# Altium PCB mod_duo_dwarf.PcbDoc (part 1 of 3)
Units mm, origin at the board's own origin, x right, y up, seen from the top; angles counter-clockwise.
Board outline 193.02 x 75.32 mm, 2 copper layers (Top Layer, Bottom Layer), stack 1.579 mm thick; 179 components, 157 nets, 691 pads, 335 vias.
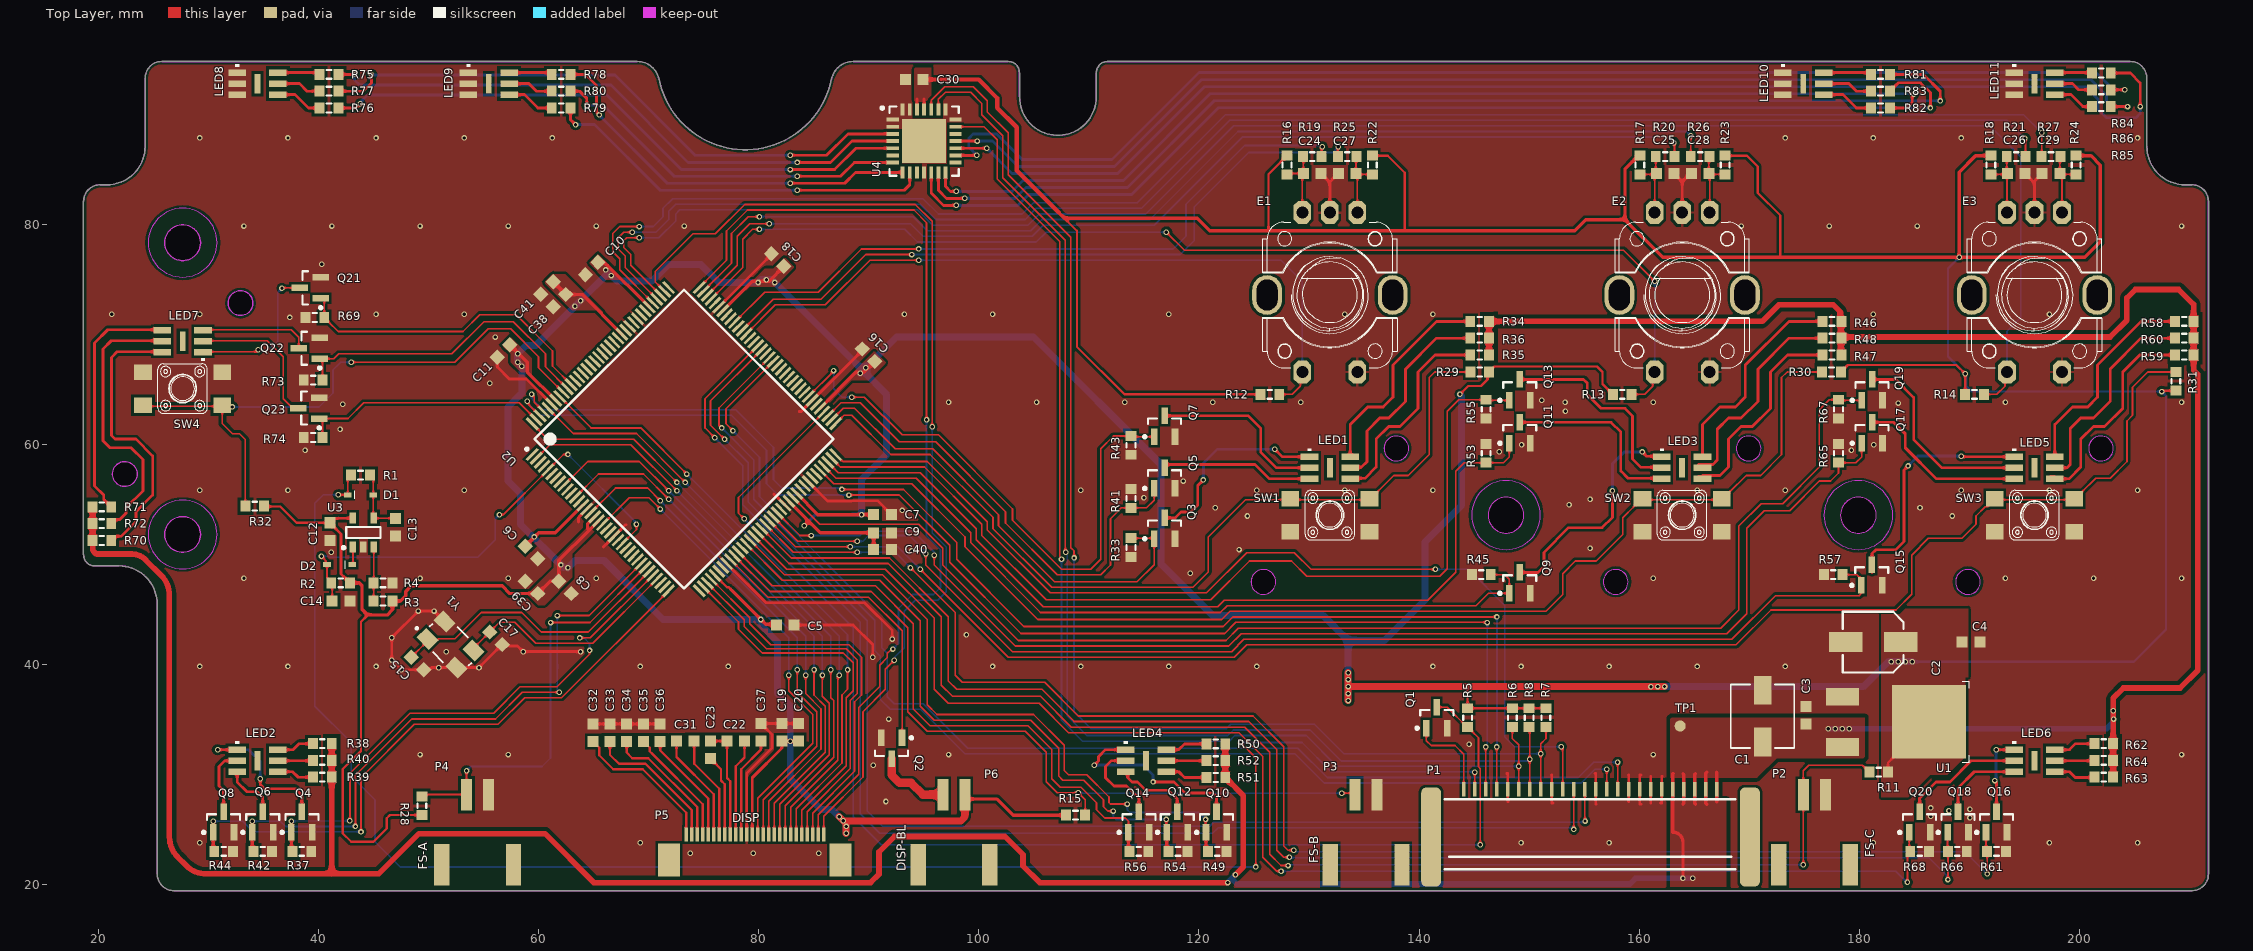
[diagram p0: Top Layer view]
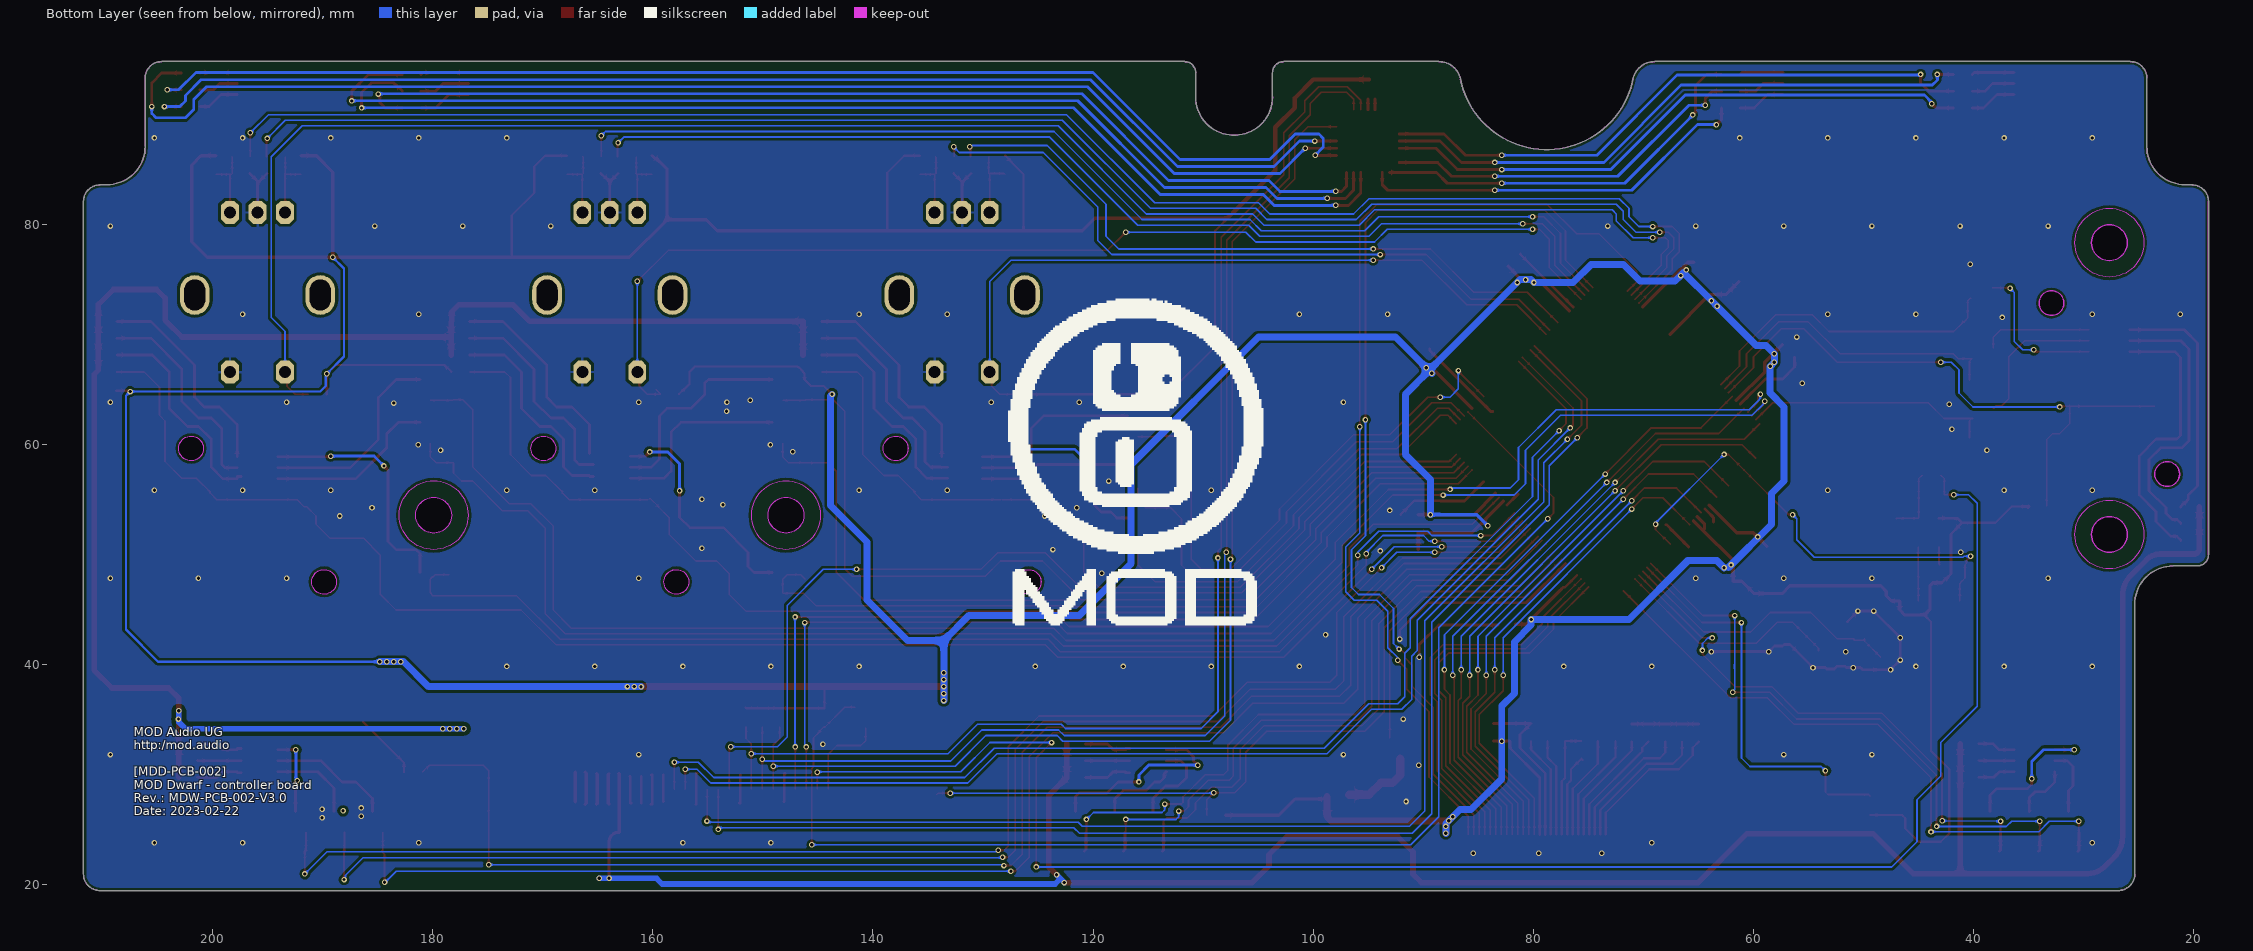
[diagram p1: Bottom Layer view, seen from below]
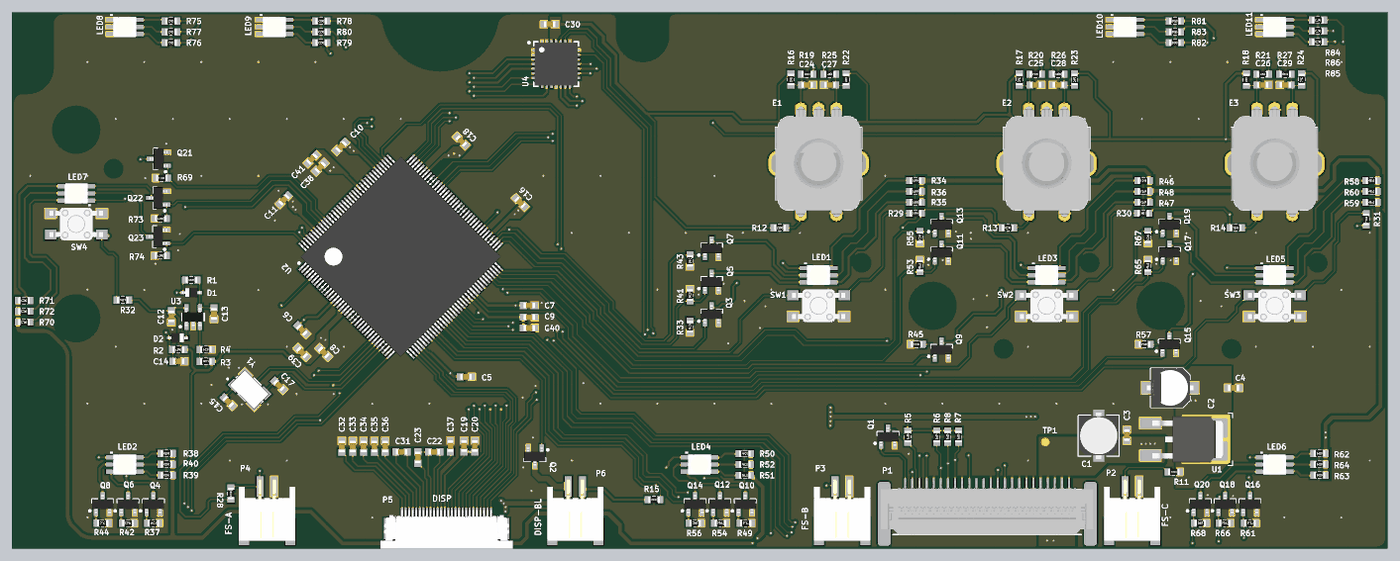
[diagram p4: 3D render of the assembled board from above, using the file's embedded part models]

## Layer stack, top to bottom
Top Solder: solder mask 0.0102, Solder Resist, Dk 3.5
Top Layer: signal copper 0.0356
Dielectric 1: dielectric 1.508, FR-4, Dk 4.8
Bottom Layer: signal copper 0.0356
Bottom Solder: solder mask 0.0102, Solder Resist, Dk 3.5

## Board outline
19.686,48.956 21.886,48.956 ccw(c21.886,48.966) 21.886,48.956 cw(c21.886,45.466) 25.376,45.466 ccw(c25.386,45.466) 25.376,45.466 25.376,20.966 ccw(c25.386,20.966) 25.376,20.966 ccw(c26.886,20.966) 26.886,19.456 210.186,19.456 ccw(c210.186,20.966) 211.696,20.966 211.696,82.066 ccw(c210.186,82.066) 210.186,83.576 ccw(c210.186,83.566) 210.186,83.576 209.586,83.576 ccw(c209.586,83.566) 209.586,83.576 cw(c209.586,87.066) 206.096,87.066 206.096,93.266 ccw(c204.586,93.266) 204.586,94.776 111.686,94.776 cw(c111.686,94.766) 111.686,94.776 ccw(c111.686,93.766) 110.676,93.766 ccw(c110.686,93.766) 110.676,93.766 110.676,91.566 cw(c107.186,91.566) 103.696,91.566 103.696,93.766 ccw(c102.686,93.766) 102.686,94.776 ccw(c102.686,94.766) 102.686,94.776 88.584,94.776 cw(c88.584,94.766) 88.584,94.776 ccw(c88.584,92.766) 86.614,93.168 cw(c78.786,94.766) 86.614,93.168 cw(c86.624,93.166) 86.614,93.168 cw(c78.786,94.766) 70.958,93.168 ccw(c68.988,92.766) 68.988,94.776 ccw(c68.988,94.766) 68.988,94.776 25.786,94.776 ccw(c25.786,93.266) 24.276,93.266 24.276,87.066 cw(c20.786,87.066) 20.786,83.576 ccw(c20.786,83.566) 20.786,83.576 20.186,83.576 ccw(c20.186,83.566) 20.186,83.576 cw(c20.186,82.066) 20.186,83.576 ccw(c20.186,82.066) 18.676,82.066 18.676,49.966 ccw(c19.686,49.966)
cut-out: 200.801,59.626 ccw(c201.926,59.626) 201.926,58.501 ccw(c201.926,59.626) 203.051,59.626 ccw(c201.926,59.626) 201.926,60.751 ccw(c201.926,59.626)
cut-out: 188.721,47.506 ccw(c189.846,47.506) 189.846,46.381 ccw(c189.846,47.506) 190.971,47.506 ccw(c189.846,47.506) 189.846,48.631 ccw(c189.846,47.506)
cut-out: 178.261,53.566 ccw(c179.886,53.566) 179.886,51.941 ccw(c179.886,53.566) 181.511,53.566 ccw(c179.886,53.566) 179.886,55.191 ccw(c179.886,53.566)
cut-out: 168.801,59.626 ccw(c169.926,59.626) 169.926,58.501 ccw(c169.926,59.626) 171.051,59.626 ccw(c169.926,59.626) 169.926,60.751 ccw(c169.926,59.626)
cut-out: 156.721,47.506 ccw(c157.846,47.506) 157.846,46.381 ccw(c157.846,47.506) 158.971,47.506 ccw(c157.846,47.506) 157.846,48.631 ccw(c157.846,47.506)
cut-out: 146.261,53.566 ccw(c147.886,53.566) 147.886,51.941 ccw(c147.886,53.566) 149.511,53.566 ccw(c147.886,53.566) 147.886,55.191 ccw(c147.886,53.566)
cut-out: 136.801,59.626 ccw(c137.926,59.626) 137.926,58.501 ccw(c137.926,59.626) 139.051,59.626 ccw(c137.926,59.626) 137.926,60.751 ccw(c137.926,59.626)
cut-out: 124.721,47.506 ccw(c125.846,47.506) 125.846,46.381 ccw(c125.846,47.506) 126.971,47.506 ccw(c125.846,47.506) 125.846,48.631 ccw(c125.846,47.506)
cut-out: 32.941,71.705 cw(c32.941,72.83) 31.816,72.83 cw(c32.941,72.83) 32.941,73.955 cw(c32.941,72.83) 34.066,72.83 cw(c32.941,72.83)
cut-out: 22.431,56.177 cw(c22.431,57.302) 21.306,57.302 cw(c22.431,57.302) 22.431,58.427 cw(c22.431,57.302) 23.556,57.302 cw(c22.431,57.302)
cut-out: 27.686,50.191 cw(c27.686,51.816) 26.061,51.816 cw(c27.686,51.816) 27.686,53.441 cw(c27.686,51.816) 29.311,51.816 cw(c27.686,51.816)
cut-out: 27.686,76.691 cw(c27.686,78.316) 26.061,78.316 cw(c27.686,78.316) 27.686,79.941 cw(c27.686,78.316) 29.311,78.316 cw(c27.686,78.316)

## Design rules (kind name [scope] priority, off if disabled: settings)
Clearance Clearance_pwr [InNet('+12V') vs InPolygon] p1: gap=0.381 ignorepadtopadclearanceinfootprint=FALSE
Clearance Clearance_poly [InPolygon] p2: gap=0.254 ignorepadtopadclearanceinfootprint=FALSE
Clearance [All] p3: gap=0.152 ignorepadtopadclearanceinfootprint=FALSE
HoleSize [All] p1: absolutevalues=TRUE maxlimit=10 minlimit=0.025 maxpercent=80.000 minpercent=20.000
HoleToHoleClearance [All] p1: gap=0.152 allowstackedmicrovias=TRUE
MinimumSolderMaskSliver [All] p1: minsoldermaskwidth=0.102
PolygonConnect [All] p1: thpad.connectstyle=Relief thpad.reliefconductorwidth=0.254 thpad.reliefentries=4 thpad.polygonreliefangle="90 Angle" thpad.airgapwidth=0.254 smdpad.connectstyle=Direct smdpad.reliefconductorwidth=0.254 smdpad.reliefentries=4 smdpad.polygonreliefangle="90 Angle" smdpad.airgapwidth=0.254 via.connectstyle=Direct via.reliefconductorwidth=0.254 via.reliefentries=4 via.polygonreliefangle="90 Angle" via.airgapwidth=0.254
RoutingVias [All] p1: holewidth=0.711 width=1.27 viastyle="Through Hole" minholewidth=0.711 minwidth=1.27 maxholewidth=0.711 maxwidth=1.27
SilkToSilkClearance [All] p1: silktosilkclearance=0.152
SilkToSolderMaskClearance [IsPad] p1: minsilkscreentomaskgap=0.076 clearancetoexposedcopper=TRUE
SolderMaskExpansion [All] p1: expansion=0.102 istentingtop=FALSE
Width [All] p1: maxlimit=10 minlimit=0.152 preferedwidth=0.254
25 further rules are at their usual default settings.

## Classes and differential pairs
net class GLCD_D[0..7]: GLCD_D0 GLCD_D1 GLCD_D2 GLCD_D3 GLCD_D4 GLCD_D5 GLCD_D6 GLCD_D7
component class [6]-PEAKMETER_LEDS: C30 LED8 LED9 LED10 LED11 R75 R76 R77 R78 R79 R80 R81 R82 R83 R84 R85 R86 U4
component class [5]-BUTTONS_ILLUMINATION: LED1 LED2 LED3 LED4 LED5 LED6 LED7 Q3 Q4 Q5 Q6 Q7 Q8 Q9 Q10 Q11 Q12 Q13 Q14 Q15 Q16 Q17 Q18 Q19 Q20 Q21 Q22 Q23 R33 R34 R35 R36 R37 R38 R39 R40 R41 R42 R43 R44 R45 R46 R47 R48 R49 R50 R51 R52 R53 R54 R55 R56 R57 R58 R59 R60 R61 R62 R63 R64 R65 R66 R67 R68 R69 R70 R71 R72 R73 R74
component class [4]-MECH_BUTTONS: C24 C25 C26 C27 C28 C29 E1 E2 E3 P2 P3 P4 R11 R12 R13 R14 R15 R16 R17 R18 R19 R20 R21 R22 R23 R24 R25 R26 R27 R28 R29 R30 R31 R32 SW1 SW2 SW3 SW4
component class [3]-GLCD_128X64: C19 C20 C22 C23 C31 C32 C33 C34 C35 C36 C37 P5 P6 Q2
component class [2]-MCU_LPC1778FBD144: C5 C6 C7 C8 C9 C10 C11 C12 C13 C14 C15 C16 C17 C18 C38 C39 C40 C41 D1 D2 P1 Q1 R1 R2 R3 R4 R5 R6 R7 R8 U2 U3 Y1
component class [1]-PWR_12VIN: C1 C2 C3 C4 TP1 U1

## Components (designator, comment, footprint, x,y, rotation, side; value= is the part's Value field where it differs from the comment)
C1 "10uF" CAP_EEE_C-L 171.196,35.306 r90 top
C2 "100uF" CAPAE6553X55M 181.229,42.037 r180 top
C3 "0.1uF" CAPC1608N 175.147,35.381 r270 top
C4 "0.1uF" CAPC1608N 190.119,42.037 r180 top
C5 "0.1uF" CAPC1608N 82.403,43.585 r180 top
C6 "0.1uF" CAPC1608N 59.378,50.189 r135 top
C7 "0.1uF" CAPC1608N 91.255,53.618 r180 top
C8 "0.1uF" CAPC1608N 62.426,47.014 r135 top
C9 "0.1uF" CAPC1608N 91.255,51.967 r180 top
C10 "0.1uF" CAPC1608N 64.839,75.97 r45 top
C11 "0.1uF" CAPC1608N 56.838,68.477 r45 top
C12 "0.1uF" CAPC1608N 41.054,52.078 r90 top
C13 "10uF" CAPC1608N 47.023,52.459 r90 top
C14 "0.1uF" CAPC1608N 42.07,45.766 r0 top
C15 "39pF" CAPC1608N 49.022,40.098 r315 top
C16 "0.1uF" CAPC1608N 89.985,68.096 r315 top
C17 "39pF" CAPC1608N 56.134,42.384 r135 top
C18 "0.1uF" CAPC1608N 81.73,76.732 r315 top
C19 "10uF" CAPC1608N 82.111,33.844 r90 top
C20 "0.1uF" CAPC1608N 83.635,33.844 r90 top
C22 "1uF" CAPC1608N 77.92,33.044 r0 top
C23 "1uF" CAPC1608N 75.634,32.244 r270 top
C24 "0.01uF" CAPC1608N 130.282,84.606 r180 top
C25 "0.01uF" CAPC1608N 162.337,84.606 r180 top
C26 "0.01uF" CAPC1608N 194.216,84.606 r180 top
C27 "0.01uF" CAPC1608N 133.457,84.606 r0 top
C28 "0.01uF" CAPC1608N 165.512,84.606 r0 top
C29 "0.01uF" CAPC1608N 197.391,84.606 r0 top
C30 "0.1uF" CAPC1608N 94.14,93.137 r180 top
C31 "1uF" CAPC1608N 73.348,33.044 r0 top
C32 "1uF" CAPC1608N 64.966,33.806 r270 top
C33 "1uF" CAPC1608N 66.49,33.806 r270 top
C34 "1uF" CAPC1608N 68.014,33.806 r270 top
C35 "1uF" CAPC1608N 69.538,33.806 r270 top
C36 "1uF" CAPC1608N 71.062,33.806 r270 top
C37 "1uF" CAPC1608N 80.206,33.844 r270 top
C38 "0.1uF" CAPC1608N 61.918,73.049 r45 top
C39 "0.1uF" CAPC1608N 59.378,47.014 r315 top
C40 "2.2uF" CAPC1608N 91.255,50.443 r180 top
C41 "2.2uF" CAPC1608N 60.775,74.192 r45 top
D1 "1N4148" SOD-323 43.841,55.418 r0 top
D2 "1N4148" SOD-323 41.943,49.068 r180 top
E1 "PEC11R" PEC11R 131.886,73.566 r180 top locked
E2 "PEC11R" PEC11R 163.886,73.566 r180 top locked
E3 "PEC11R" PEC11R 195.886,73.566 r180 top
LED1 "BL-HJXGXBX32N" BL-HJXGXBX32N 131.886,57.866 r0 top
LED2 "BL-HJXGXBX32N" BL-HJXGXBX32N 34.486,31.266 r0 top
LED3 "BL-HJXGXBX32N" BL-HJXGXBX32N 163.886,57.866 r0 top
LED4 "BL-HJXGXBX32N" BL-HJXGXBX32N 115.186,31.266 r0 top
LED5 "BL-HJXGXBX32N" BL-HJXGXBX32N 195.886,57.866 r0 top
LED6 "BL-HJXGXBX32N" BL-HJXGXBX32N 195.886,31.266 r0 top
LED7 "BL-HJXGXBX32N" BL-HJXGXBX32N 27.686,69.366 r180 top
LED8 "BL-HJXGXBX32N" BL-HJXGXBX32N 34.486,92.766 r0 top
LED9 "BL-HJXGXBX32N" BL-HJXGXBX32N 55.486,92.766 r0 top
LED10 "BL-HJXGXBX32N" BL-HJXGXBX32N 174.886,92.766 r0 top
LED11 "BL-HJXGXBX32N" BL-HJXGXBX32N 195.886,92.766 r0 top
P1 "F51L-1A7H1-11024" F51L-1A7H1-11024 155.562,26.5 r180 top
P2 "ER-CON2.0-2P-SMD" ER-CON2.0-2P-SMD 175.895,25 r180 top
P3 "ER-CON2.0-2P-SMD" ER-CON2.0-2P-SMD 135.186,25 r180 top
P4 "ER-CON2.0-2P-SMD" ER-CON2.0-2P-SMD 54.483,25 r180 top
P5 "ER-CON26HT-1" ER-CON26HT-1 79.666,23.4 r0 top
P6 "ER-CON2.0-2P-SMD" ER-CON2.0-2P-SMD 97.736,25 r180 top
Q1 "2N7002" SOT23-3N 141.605,35.179 r90 top
Q2 "2N7002" SOT23-3N 92.075,32.385 r270 top
Q3 "2N7002" SOT23-3N 116.873,52.37 r90 top
Q4 "2N7002" SOT23-3N 38.514,25.7 r90 top
Q5 "2N7002" SOT23-3N 116.873,56.942 r90 top
Q6 "2N7002" SOT23-3N 34.958,25.7 r90 top
Q7 "2N7002" SOT23-3N 116.873,61.641 r90 top
Q8 "2N7002" SOT23-3N 31.402,25.7 r90 top
Q9 "2N7002" SOT23-3N 149.135,47.417 r90 top
Q10 "2N7002" SOT23-3N 121.587,25.7 r90 top
Q11 "2N7002" SOT23-3N 149.135,61.05 r90 top
Q12 "2N7002" SOT23-3N 118.031,25.7 r90 top
Q13 "2N7002" SOT23-3N 149.135,64.943 r90 top
Q14 "2N7002" SOT23-3N 114.541,25.7 r90 top
Q15 "2N7002" SOT23-3N 181.102,48.133 r90 top
Q16 "2N7002" SOT23-3N 192.438,25.7 r90 top
Q17 "2N7002" SOT23-3N 181.135,61.05 r90 top
Q18 "2N7002" SOT23-3N 188.943,25.7 r90 top
Q19 "2N7002" SOT23-3N 181.135,64.943 r90 top
Q20 "2N7002" SOT23-3N 185.453,25.7 r90 top
Q21 "2N7002" SOT23-3N 39.276,74.214 r180 top
Q22 "2N7002" SOT23-3N 39.185,68.731 r180 top
Q23 "2N7002" SOT23-3N 39.149,63.292 r180 top
R1 "160K" RESC1608N 43.843,57.196 r0 top
R2 "10K" RESC1608N 42.031,47.417 r180 top
R3 "10K" RESC1608N 45.88,45.766 r0 top
R4 "10K" RESC1608N 45.88,47.417 r0 top
R5 "10K" RESC1608N 144.399,35.179 r270 top
R6 "100K" RESC1608N 148.463,35.179 r90 top
R7 "100K" RESC1608N 151.511,35.179 r90 top
R8 "100K" RESC1608N 149.987,35.179 r90 top
R11 "10K" RESC1608N 181.737,30.226 r180 top
R12 "10K" RESC1608N 126.442,64.54 r180 top
R13 "10K" RESC1608N 158.442,64.54 r180 top
R14 "10K" RESC1608N 190.442,64.54 r180 top
R15 "10K" RESC1608N 108.781,26.313 r0 top
R16 "10K" RESC1608N 127.996,85.368 r90 top
R17 "10K" RESC1608N 160.051,85.368 r90 top
R18 "10K" RESC1608N 191.93,85.368 r90 top
R19 "10K" RESC1608N 130.282,86.13 r180 top
R20 "10K" RESC1608N 162.337,86.13 r180 top
R21 "10K" RESC1608N 194.216,86.13 r180 top
R22 "10K" RESC1608N 135.743,85.368 r90 top
R23 "10K" RESC1608N 167.798,85.368 r90 top
R24 "10K" RESC1608N 199.677,85.368 r90 top
R25 "10K" RESC1608N 133.457,86.13 r0 top
R26 "10K" RESC1608N 165.512,86.13 r0 top
R27 "10K" RESC1608N 197.391,86.13 r0 top
R28 "10K" RESC1608N 49.403,27.178 r90 top
R29 "10K" RESC1608N 145.492,66.572 r0 top
R30 "10K" RESC1608N 177.449,66.572 r0 top
R31 "10K" RESC1608N 208.73,65.722 r270 top
R32 "10K" RESC1608N 34.232,54.38 r0 top
R33 "100K" RESC1608N 113.825,50.631 r270 top
R34 "560R" RESC1608N 145.492,71.166 r0 top
R35 "470R" RESC1608N 145.492,68.118 r0 top
R36 "470R" RESC1608N 145.492,69.642 r0 top
R37 "100K" RESC1608N 38.514,23.033 r0 top
R38 "560R" RESC1608N 40.38,32.812 r0 top
R39 "470R" RESC1608N 40.38,29.764 r0 top
R40 "470R" RESC1608N 40.38,31.288 r0 top
R41 "100K" RESC1608N 113.825,55.076 r90 top
R42 "100K" RESC1608N 34.958,23.033 r0 top
R43 "100K" RESC1608N 113.825,59.902 r270 top
R44 "100K" RESC1608N 31.402,23.033 r0 top
R45 "100K" RESC1608N 145.65,48.157 r180 top
R46 "560R" RESC1608N 177.492,71.166 r0 top
R47 "470R" RESC1608N 177.492,68.118 r0 top
R48 "470R" RESC1608N 177.492,69.642 r0 top
R49 "100K" RESC1608N 121.653,23.033 r0 top
R50 "560R" RESC1608N 121.533,32.79 r0 top
R51 "470R" RESC1608N 121.533,29.742 r0 top
R52 "470R" RESC1608N 121.533,31.266 r0 top
R53 "100K" RESC1608N 146.087,59.184 r90 top
R54 "100K" RESC1608N 118.097,23.033 r0 top
R55 "100K" RESC1608N 146.087,63.204 r270 top
R56 "100K" RESC1608N 114.541,23.033 r0 top
R57 "100K" RESC1608N 177.615,48.157 r180 top
R58 "560R" RESC1608N 209.492,71.166 r0 top
R59 "470R" RESC1608N 209.492,68.118 r0 top
R60 "470R" RESC1608N 209.492,69.642 r0 top
R61 "100K" RESC1608N 192.438,23.033 r0 top
R62 "560R" RESC1608N 202.178,32.812 r0 top
R63 "470R" RESC1608N 202.178,29.764 r0 top
R64 "470R" RESC1608N 202.178,31.288 r0 top
R65 "100K" RESC1608N 178.087,59.184 r90 top
R66 "100K" RESC1608N 188.882,23.033 r0 top
R67 "100K" RESC1608N 178.087,63.204 r270 top
R68 "100K" RESC1608N 185.453,23.033 r0 top
R69 "100K" RESC1608N 39.693,71.525 r180 top
R70 "560R" RESC1608N 20.352,51.27 r180 top
R71 "470R" RESC1608N 20.352,54.318 r180 top
R72 "470R" RESC1608N 20.352,52.794 r180 top
R73 "100K" RESC1608N 39.53,65.832 r180 top
R74 "100K" RESC1608N 39.53,60.625 r180 top
R75 "220R" RESC1608N 40.982,93.599 r180 top
R76 "220R" RESC1608N 40.982,90.551 r180 top
R77 "220R" RESC1608N 40.982,92.075 r180 top
R78 "220R" RESC1608N 62.064,93.599 r180 top
R79 "220R" RESC1608N 62.064,90.551 r180 top
R80 "220R" RESC1608N 62.064,92.075 r180 top
R81 "220R" RESC1608N 181.897,93.599 r180 top
R82 "220R" RESC1608N 181.897,90.551 r180 top
R83 "220R" RESC1608N 181.897,92.075 r180 top
R84 "220R" RESC1608N 201.963,93.726 r180 top
R85 "220R" RESC1608N 201.963,90.678 r180 top
R86 "220R" RESC1608N 201.963,92.202 r180 top
SW1 "TL3305" TL3305 131.886,53.566 r0 top
SW2 "TL3305" TL3305 163.886,53.566 r0 top
SW3 "TL3305" TL3305 195.886,53.566 r0 top
SW4 "TL3305" TL3305 27.686,65.066 r180 top
TP1 "TP_1_MM" TP_1_MM 163.703,34.417 r90 top
U1 "NCP1117DT33G" DPAK-L 182.372,34.798 r180 top
U2 "LPC1778FBD144" LQFP144-SOT486-1 73.221,60.476 r45 top
U3 "MCP6001" SOT23-5N 44.102,51.989 r90 top
U4 "PCA9685" SOT788-1 95.029,87.549 r0 top
Y1 "12Mhz" ECS-120-20-30B-AGL-TR 52.012,41.807 r315 top

## Footprints (in the part's own frame and the unit in brackets; to place one, negate y for a bottom-side part, rotate by r counter-clockwise, add the part's x,y. Pads: shape width x height; smd on the part's side, far side on the other; paste and mask are expansions set on the pad)
BL-HJXGXBX32N [mm]
  rect 1.6x0.6 smd: 1(-1.85,1) 2(-1.85,0) 3(-1.85,-1) 4(1.85,-1) 5(1.85,0) 6(1.85,1)
  rect 0.53x1.77 smd: M(0,0)
  silkscreen extent -2.03,1.52 -1.65,1.78, body extent -1.75,-1.4 1.75,1.4, height 1.4
CAP_EEE_C-L [mil]
  rect 103x62 smd paste+0 mask+0: 1(92.5,0) 2(-92.5,0)
  silkscreen extent -114,-114 114,114, body extent -128,-108 128,109, height 219
CAPAE6553X55M [mm] "Aluminum Electrolytic Capacitor, Body 5.30x5.30x5.50mm, IPC Low Density"
  rect 3.05x1.8 smd: 1(-2.5,0) 2(2.5,0)
  silkscreen extent -2.75,-2.75 2.75,2.75, body extent -3.25,-2.75 3.25,2.75, height 5.5
CAPC1608N [mm] "Chip Capacitor, Body 1.6x0.8mm, IPC Medium Density"
  rect 1x1 smd: 1(-0.8,0) 2(0.8,0)
  body extent -0.8,-0.4 0.8,0.4, height 0.9
DPAK-L [mm]
  rect 3x1.6 smd: 1(3.925,-2.286) 3(3.925,2.286)
  rect 6.7x6.7 smd paste-7: 2(-3.925,0)
  silkscreen extent -7.61,-3.68 -6.97,3.68, body extent -6.27,-3.27 3.66,3.27, height 2.41
ECS-120-20-30B-AGL-TR [mm]
  rect 1.6x1.25 smd: 1(-1.85,-1.1) 2(1.85,-1.1) 3(1.85,1.1) 4(-1.85,1.1)
  silkscreen extent -3.31,-1.6 2.5,1.6, body extent -2.5,-1.6 2.5,1.6, height 0.85
ER-CON2.0-2P-SMD [mm]
  rect 1x2.85 smd: 1(-1,-3.187) 2(1,-3.187)
  rect 1.4x3.8 smd: M(-3.25,3.188) M(3.25,3.188)
  body extent -3.95,-4.16 3.95,4.44, height 4.8
ER-CON26HT-1 [mm]
  rect 0.3x1.25 smd: 1(6.25,1.162) 2(5.75,1.162) 3(5.25,1.162) 4(4.75,1.162) 5(4.25,1.162) 6(3.75,1.162) 7(3.25,1.162) 8(2.75,1.162) 9(2.25,1.162) 10(1.75,1.162) 11(1.25,1.162) 12(0.75,1.162) 13(0.25,1.162) 14(-0.25,1.162) 15(-0.75,1.162) 16(-1.25,1.162) 17(-1.75,1.162) 18(-2.25,1.162) 19(-2.75,1.162) 20(-3.25,1.162) 21(-3.75,1.162) 22(-4.25,1.162) 23(-4.75,1.162) 24(-5.25,1.162) 25(-5.75,1.162) 26(-6.25,1.162)
  rect 2x3 smd: M(-7.79,-1.162) M(7.79,-1.162)
  body extent -9.24,-3.95 9.26,1.5, height 2.08
F51L-1A7H1-11024 [mm]
  rect 0.3x1.3 smd: 1(11.526,-2.166) 2(10.526,-2.166) 3(9.526,-2.166) 4(8.526,-2.166) 5(7.526,-2.166) 6(6.526,-2.166) 7(5.526,-2.166) 8(4.526,-2.166) 9(3.526,-2.166) 10(2.526,-2.166) 11(1.526,-2.166) 12(0.526,-2.166) 13(-0.474,-2.166) 14(-1.474,-2.166) 15(-2.474,-2.166) 16(-3.474,-2.166) 17(-4.474,-2.166) 18(-5.474,-2.166) 19(-6.474,-2.166) 20(-7.474,-2.166) 21(-8.474,-2.166) 22(-9.474,-2.166) 23(-10.474,-2.166) 24(-11.474,-2.166)
  rrect50% 1.8x9 smd: M(-14.476,2.167) M(14.476,2.167)
  silkscreen extent -13.18,-1.27 13.23,5.1, body extent -14.87,-2.44 14.93,5.13, height 2.5
LQFP144-SOT486-1 [mm] "LQQFP, 144-Leads, Body 20.00x20.00mm, Pitch 0.50mm, Thermal Pad 0.00x0.00mm, IPC Medium Density"
  rect 1.45x0.28 smd: 1(-10.725,8.75) 2(-10.725,8.25) 3(-10.725,7.75) 4(-10.725,7.25) 5(-10.725,6.75) 6(-10.725,6.25) 7(-10.725,5.75) 8(-10.725,5.25) 9(-10.725,4.75) 10(-10.725,4.25) 11(-10.725,3.75) 12(-10.725,3.25) 13(-10.725,2.75) 14(-10.725,2.25) 15(-10.725,1.75) 16(-10.725,1.25) 17(-10.725,0.75) 18(-10.725,0.25) 19(-10.725,-0.25) 20(-10.725,-0.75) 21(-10.725,-1.25) 22(-10.725,-1.75) 23(-10.725,-2.25) 24(-10.725,-2.75) 25(-10.725,-3.25) 26(-10.725,-3.75) 27(-10.725,-4.25) 28(-10.725,-4.75) 29(-10.725,-5.25) 30(-10.725,-5.75) 31(-10.725,-6.25) 32(-10.725,-6.75) 33(-10.725,-7.25) 34(-10.725,-7.75) 35(-10.725,-8.25) 36(-10.725,-8.75) 73(10.725,-8.75) 74(10.725,-8.25) 75(10.725,-7.75) 76(10.725,-7.25) 77(10.725,-6.75) 78(10.725,-6.25) 79(10.725,-5.75) 80(10.725,-5.25) 81(10.725,-4.75) 82(10.725,-4.25) 83(10.725,-3.75) 84(10.725,-3.25) 85(10.725,-2.75) 86(10.725,-2.25) 87(10.725,-1.75) 88(10.725,-1.25) 89(10.725,-0.75) 90(10.725,-0.25) 91(10.725,0.25) 92(10.725,0.75) 93(10.725,1.25) 94(10.725,1.75) 95(10.725,2.25) 96(10.725,2.75) 97(10.725,3.25) 98(10.725,3.75) 99(10.725,4.25) 100(10.725,4.75) 101(10.725,5.25) 102(10.725,5.75) 103(10.725,6.25) 104(10.725,6.75) 105(10.725,7.25) 106(10.725,7.75) 107(10.725,8.25) 108(10.725,8.75)
  rect 0.28x1.45 smd: 37(-8.75,-10.725) 38(-8.25,-10.725) 39(-7.75,-10.725) 40(-7.25,-10.725) 41(-6.75,-10.725) 42(-6.25,-10.725) 43(-5.75,-10.725) 44(-5.25,-10.725) 45(-4.75,-10.725) 46(-4.25,-10.725) 47(-3.75,-10.725) 48(-3.25,-10.725) 49(-2.75,-10.725) 50(-2.25,-10.725) 51(-1.75,-10.725) 52(-1.25,-10.725) 53(-0.75,-10.725) 54(-0.25,-10.725) 55(0.25,-10.725) 56(0.75,-10.725) 57(1.25,-10.725) 58(1.75,-10.725) 59(2.25,-10.725) 60(2.75,-10.725) 61(3.25,-10.725) 62(3.75,-10.725) 63(4.25,-10.725) 64(4.75,-10.725) 65(5.25,-10.725) 66(5.75,-10.725) 67(6.25,-10.725) 68(6.75,-10.725) 69(7.25,-10.725) 70(7.75,-10.725) 71(8.25,-10.725) 72(8.75,-10.725) 109(8.75,10.725) 110(8.25,10.725) 111(7.75,10.725) 112(7.25,10.725) 113(6.75,10.725) 114(6.25,10.725) 115(5.75,10.725) 116(5.25,10.725) 117(4.75,10.725) 118(4.25,10.725) 119(3.75,10.725) 120(3.25,10.725) 121(2.75,10.725) 122(2.25,10.725) 123(1.75,10.725) 124(1.25,10.725) 125(0.75,10.725) 126(0.25,10.725) 127(-0.25,10.725) 128(-0.75,10.725) 129(-1.25,10.725) 130(-1.75,10.725) 131(-2.25,10.725) 132(-2.75,10.725) 133(-3.25,10.725) 134(-3.75,10.725) 135(-4.25,10.725) 136(-4.75,10.725) 137(-5.25,10.725) 138(-5.75,10.725) 139(-6.25,10.725) 140(-6.75,10.725) 141(-7.25,10.725) 142(-7.75,10.725) 143(-8.25,10.725) 144(-8.75,10.725)
  silkscreen extent -10.85,-9.6 9.6,9.6, body extent -11,-11 11,11, height 1.6
PEC11R [mm]
  oct 1.6x2.1 hole 1.1: 1(-2.5,7) 2(2.5,7) A(-2.5,-7.5) B(2.5,-7.5) C(0,-7.5)
  oval 2.7x3.6 hole 1.9 slot 2.8 at 90 deg: M(-5.7,0) M(5.7,0)
  silkscreen extent -6.1,-6.6 6.1,6.6, body extent -7,-7.7 7,7.2, height 21.6
RESC1608N [mm] "Chip Resistor, Body 1.6x0.8mm, IPC Medium Density"
  rect 0.9x1 smd: 1(-0.85,0) 2(0.85,0)
  silkscreen extent -0.2,-0.4 0.2,0.4, body extent -0.8,-0.45 0.8,0.45, height 0.5
SOD-323 [mm]
  rect 0.7x0.45 smd: 1(-1.15,0) 2(1.15,0)
  silkscreen extent -0.51,-0.38 -0.51,0.38, body extent -1.3,-0.67 1.3,0.67, height 1.1
SOT23-3N [mm] "SOT23, 3-Leads, Body 2.9x1.3mm, Pitch 0.95mm, Lead Span 2.5mm, IPC Medium Density"
  rect 1.5x0.6 smd: 1(-0.95,0.95) 2(-0.95,-0.95) 3(0.95,0)
  silkscreen extent -1.07,-1.5 0.7,1.92, body extent -1.25,-1.5 1.25,1.5, height 1.01
SOT23-5N [mm]
  rect 1x0.6 smd: 1(-1.3,0.95) 2(-1.3,0) 3(-1.3,-0.95) 4(1.3,-0.95) 5(1.3,0.95)
  silkscreen extent -1.5,-1.55 0.5,1.92, body extent -1.25,-1.5 1.25,1.5, height 1.06
SOT788-1 [mm]
  rect 1.1x0.35 smd paste-0.025: 1(-2.85,1.95) 2(-2.85,1.3) 3(-2.85,0.65) 4(-2.85,0) 5(-2.85,-0.65) 6(-2.85,-1.3) 7(-2.85,-1.95) 15(2.85,-1.95) 16(2.85,-1.3) 17(2.85,-0.65) 18(2.85,0) 19(2.85,0.65) 20(2.85,1.3) 21(2.85,1.95)
  rect 0.35x1.1 smd paste-0.025: 8(-1.95,-2.85) 9(-1.3,-2.85) 10(-0.65,-2.85) 11(0,-2.85) 12(0.65,-2.85) 13(1.3,-2.85) 14(1.95,-2.85) 22(1.95,2.85) 23(1.3,2.85) 24(0.65,2.85) 25(0,2.85) 26(-0.65,2.85) 27(-1.3,2.85) 28(-1.95,2.85)
  rect 4x4 smd paste-1000: 29(0,0)
  silkscreen extent -3.92,-3.15 3.15,3.15, body extent -3.02,-3.02 3.02,3.02, height 0.9
TL3305 [mm]
  rect 1.6x1.4 smd: 1(-3.6,-1.5) 2(3.6,-1.5) 3(-3.6,1.5) 4(3.6,1.5)
  silkscreen extent -2.25,-2.25 2.25,2.25, body extent -3.75,-2.25 3.75,2.25, height 3.8
TP_1_MM [mm]
  round 1 smd paste-1000 mask+0.102: 1(0,0)

## Part data
C1: library part EEE-1EA100SR, "CAP ALUM 10UF 20% 25V SMD", Case/Package=Radial, Leakage Current=3uA, Manufacturer 1=Panasonic, Max Operating Temperature=85°C, Min Operating Temperature=-40°C, Package Quantity=1, Ripple Current=28mA, Supplier Part Number 1=PCE3894CT-ND, Tolerance=20%, Voltage=25V, Capacitance=10uF, Contact Plating=Tin, Diameter=5mm, Height=5.4mm, Height - Seated (Max)=0.213inch, Lead Length=2.2mm, Lead Pitch=1.5mm, Length=5.5mm, Life (Hours)=2000Hour, Manufacturer Part Number 1=EEE-1EA100SR, Mount="PCB,Surface Mount", Number of Pins=2, Packaging="Tape and Reel", Pricing 1="1=0.31, 10=0.214, 100=0.1286, 500=0.09646 (USD)", Radiation Hardening=No, REACH SVHC="No SVHC", Ripple Current (AC)=28mA, Stock 1=6724, Supplier 1=Digi-Key, Termination=SMD/SMT, Voltage Rating=25V, Voltage Rating (DC)=25V, Width=5.3mm
C2: library part EEE-1AA101WR, "CAP ALUM 100UF 20% 10V SMD", Case/Package=Radial, Manufacturer 1="Panasonic ECG", Max Operating Temperature=85°C, Min Operating Temperature=-40°C, Package Quantity=1, Ripple Current=50mA, Supplier Part Number 1=PCE3867CT-ND, Tolerance=20%, Voltage Rating=10V, Capacitance=100uF, ComponentLink1Description=https://datasheet.ciiva.com/26945/getdatasheetpartid-169213-26945071.pdf, ComponentLink1URL=https://datasheet.ciiva.com/26945/getdatasheetpartid-169213-26945071.pdf, ComponentLink2Description=https://datasheet.ciiva.com/2983/aba0000ce2-2983906.pdf, ComponentLink2URL=https://datasheet.ciiva.com/2983/aba0000ce2-2983906.pdf, ComponentLink3Description=https://datasheet.ciiva.com/24027/aba0000ce2-40801-24027541.pdf, ComponentLink3URL=https://datasheet.ciiva.com/24027/aba0000ce2-40801-24027541.pdf, ComponentLink4Description=https://datasheet.ciiva.com/30075/11aba0000ce2-30075303.pdf, ComponentLink4URL=https://datasheet.ciiva.com/30075/11aba0000ce2-30075303.pdf, ComponentLink5Description=https://datasheet.ciiva.com/16427/aba0000ce2-16427544.pdf, ComponentLink5URL=https://datasheet.ciiva.com/16427/aba0000ce2-16427544.pdf, ComponentLink6Description=https://datasheet.ciiva.com/14598/70255710-14598233.pdf, ComponentLink6URL=https://datasheet.ciiva.com/14598/70255710-14598233.pdf, ComponentLink7Description=https://datasheet.ciiva.com/14605/70255710-14605689.pdf, ComponentLink7URL=https://datasheet.ciiva.com/14605/70255710-14605689.pdf, ComponentLink8Description=https://datasheet.ciiva.com/11673/aba0000ce2-11673882.pdf, ComponentLink8URL=https://datasheet.ciiva.com/11673/aba0000ce2-11673882.pdf, Contact Plating=Tin, Description 1="Cap Aluminum Lytic 100uF 10V 20% (5 X 5.4mm) SMD 50mA 1000h 85C Automotive T/R", Diameter=5mm, Height=5.4mm, Height - Seated (Max)=0.213inch, Lead Free="Lead Free", Length=5.5mm, Life (Hours)=1000Hour, Manufacturer Part Number 1=EEE-1AA101WR, Mount="Surface Mount,PCB", Packaging="Tape and Reel", Pricing 1="1=0.31, 10=0.212, 100=0.1272, 500=0.0954 (USD)", Radiation Hardening=No, REACH SVHC=Unknown, Ripple Current (AC)=50mA, Stock 1=122621, Supplier 1=Digi-Key, Termination=SMD/SMT, Voltage Rating (DC)=10V
C3 C4 C5 C6 C7 C8 C9 C10 C11 C12 C14 C16 C18 C20 C30 C38 C39: library part CC0603KRX7R8BB104, "CAP CER 0.1UF 25V X7R 0603", Capacitance=100nF, Case/Package=0603, Case Code (Metric)=1608, Dielectric=X7R, Manufacturer 1=Yageo, Max Operating Temperature=125°C, Min Operating Temperature=-55°C, Package Quantity=1, Supplier Part Number 1=311-1341-1-ND, Tolerance=10%, Voltage=25V, Case Code (Imperial)=0603, ComponentLink1Description=https://datasheet.ciiva.com/11786/0900766b80c10176-11786120.pdf, ComponentLink1URL=https://datasheet.ciiva.com/11786/0900766b80c10176-11786120.pdf, ComponentLink2Description=https://datasheet.ciiva.com/144/mlccorderingcode-144075.pdf, ComponentLink2URL=https://datasheet.ciiva.com/144/mlccorderingcode-144075.pdf, ComponentLink3Description=https://datasheet.ciiva.com/17434/upy-gphc-x7r-6-3v-to-50v-8-17434263.pdf, ComponentLink3URL=https://datasheet.ciiva.com/17434/upy-gphc-x7r-6-3v-to-50v-8-17434263.pdf, ComponentLink4Description=https://datasheet.ciiva.com/26829/getdatasheetpartid-403577-26829431.pdf, ComponentLink4URL=https://datasheet.ciiva.com/26829/getdatasheetpartid-403577-26829431.pdf, ComponentLink5Description=https://datasheet.ciiva.com/11587/upy-gphc-x7r-6-3v-to-50v-8-11587208.pdf, ComponentLink5URL=https://datasheet.ciiva.com/11587/upy-gphc-x7r-6-3v-to-50v-8-11587208.pdf, ComponentLink6Description=https://datasheet.ciiva.com/13389/upy-gphc-x7r-6-3v-to-50v-8-13389352.pdf, ComponentLink6URL=https://datasheet.ciiva.com/13389/upy-gphc-x7r-6-3v-to-50v-8-13389352.pdf, ComponentLink7Description=https://datasheet.ciiva.com/28450/1489800-28450584.pdf, ComponentLink7URL=https://datasheet.ciiva.com/28450/1489800-28450584.pdf, ComponentLink8Description=https://datasheet.ciiva.com/144/mlccorderingcode-144073.pdf, ComponentLink8URL=https://datasheet.ciiva.com/144/mlccorderingcode-144073.pdf, ComponentLink9Description=https://datasheet.ciiva.com/144/mlccorderingcode-144074.pdf, ComponentLink9URL=https://datasheet.ciiva.com/144/mlccorderingcode-144074.pdf, ComponentLink10Description=https://datasheet.ciiva.com/7978/1489800-7978155.pdf, ComponentLink10URL=https://datasheet.ciiva.com/7978/1489800-7978155.pdf, Composition=Ceramic, Depth=0.8mm, Halogen Free="Halogen Free", Height=0.8mm, Lead Free="Lead Free", Length=1.6mm, Manufacturer Part Number 1=CC0603KRX7R8BB104, Mount="Surface Mount", Number of Pins=2, Packaging="Tape and Reel", Pricing 1="1=0.1, 10=0.074, 100=0.0329, 500=0.02352, 1000=0.01848 (USD)", Radiation Hardening=No, REACH SVHC=Unknown, Stock 1=40000, Supplier 1=Digi-Key, Termination=SMD/SMT, Thickness=0.035inch, Voltage Rating=25V, Voltage Rating (DC)=25V, Width=0.8mm